# KiCad board tekskey-rounded-num.kicad_pcb (continued)
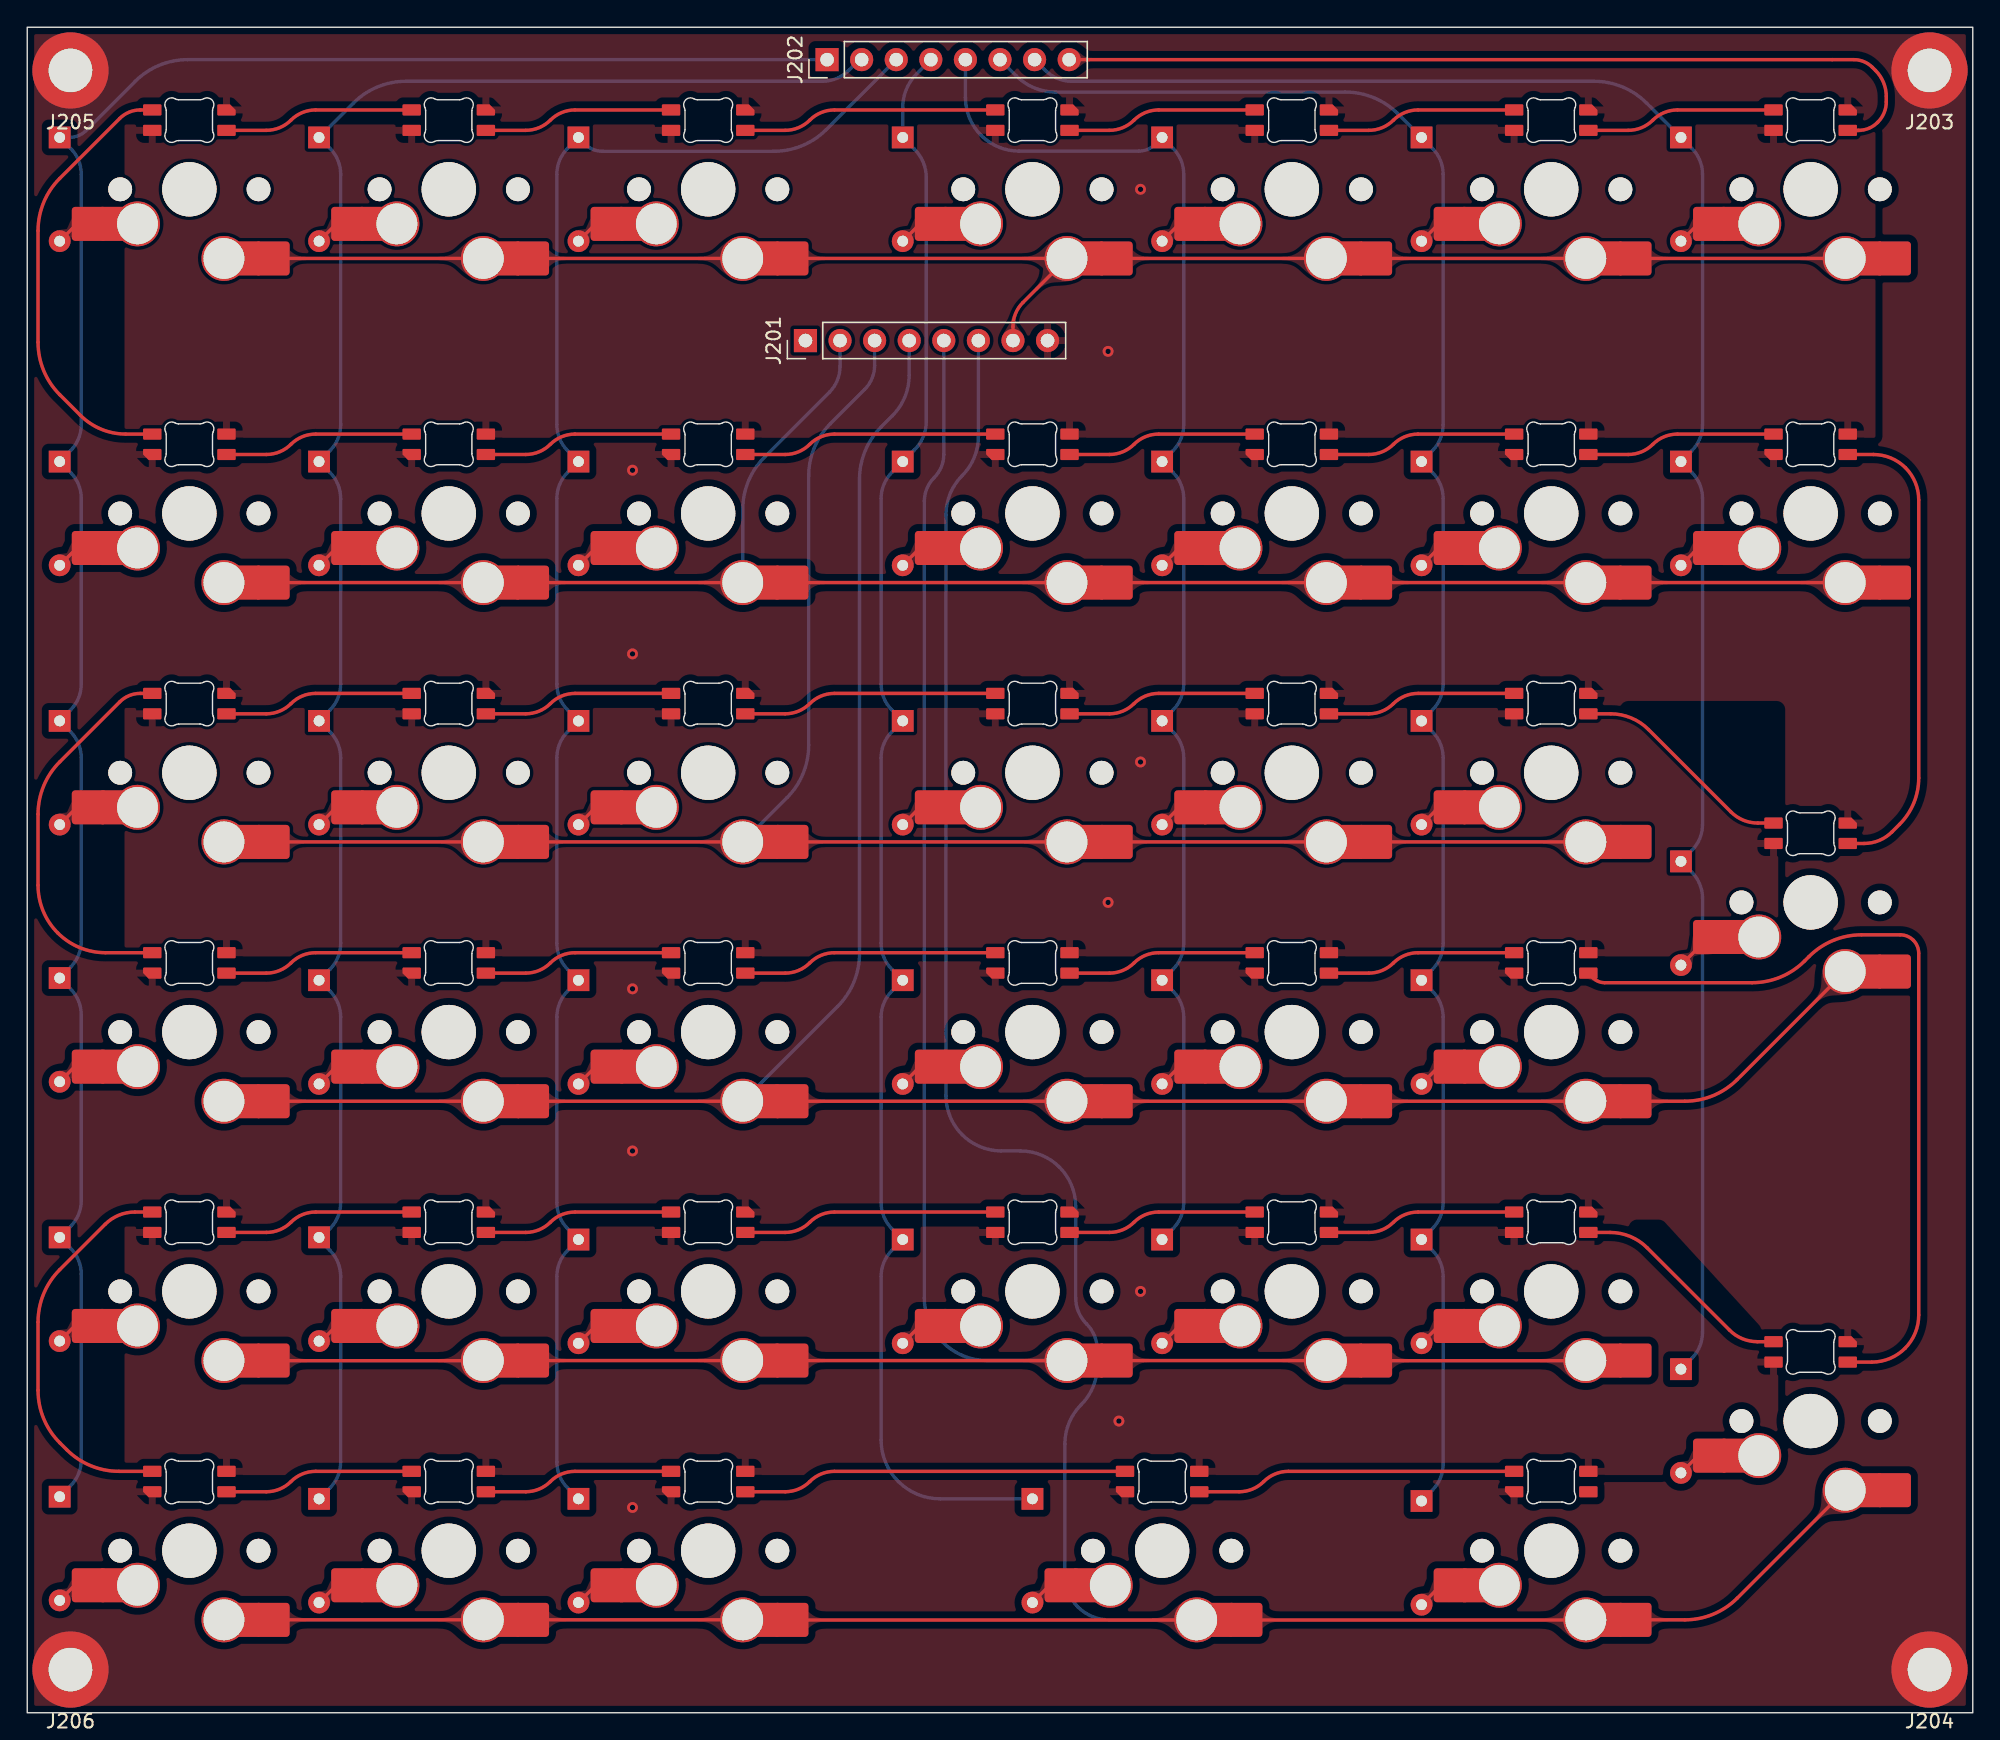
[diagram p0: board, top side]
## Copper pours and planes (outline as drawn; the poured copper is in the pictures) (continued)
nrow1 on Top: 30.21,82.9 30.6,82.88 30.92,82.81 31.18,82.71 31.4,82.59 31.6,82.43 31.79,82.26 31.98,82.08 32.2,81.9 32.46,81.72 32.78,81.54 34.32,83.03 32.78,84.51 32.46,84.34 32.2,84.15 31.98,83.97 31.79,83.79 31.6,83.62 31.4,83.47 31.18,83.34 30.92,83.24 30.6,83.17 30.21,83.15
nrow1 on Top: 101.45,83.15 101.15,83.17 100.91,83.21 100.71,83.29 100.54,83.38 100.39,83.49 100.25,83.62 100.1,83.75 99.94,83.88 99.74,84.02 99.5,84.15 98.33,83.03 99.5,81.9 99.74,82.03 99.94,82.17 100.1,82.3 100.25,82.44 100.39,82.56 100.54,82.67 100.71,82.77 100.91,82.84 101.15,82.88 101.45,82.9
nrow1 on Bottom: 52.42,86.32 52.4,85.92 52.33,85.6 52.23,85.34 52.11,85.12 51.95,84.92 51.78,84.74 51.6,84.54 51.42,84.32 51.24,84.06 51.06,83.75 52.55,82.2 54.03,83.75 53.86,84.06 53.67,84.32 53.49,84.54 53.31,84.74 53.14,84.92 52.99,85.12 52.86,85.34 52.76,85.6 52.69,85.92 52.67,86.32
nrow1 on Bottom: 59.82,99.1 59.83,99.3 59.85,99.47 59.9,99.61 59.96,99.72 60.03,99.83 60.11,99.93 60.19,100.03 60.28,100.14 60.37,100.28 60.46,100.44 59.69,101.23 58.93,100.44 59.01,100.28 59.1,100.14 59.19,100.03 59.27,99.93 59.35,99.83 59.42,99.72 59.48,99.61 59.53,99.47 59.55,99.3 59.57,99.1
nrow2 on Top: 73.07,63.85 73.46,63.83 73.78,63.76 74.04,63.66 74.27,63.54 74.46,63.38 74.65,63.21 74.84,63.03 75.06,62.85 75.32,62.67 75.64,62.49 77.18,63.98 75.64,65.46 75.32,65.29 75.06,65.1 74.84,64.92 74.65,64.74 74.46,64.57 74.27,64.42 74.04,64.29 73.78,64.19 73.46,64.12 73.07,64.1
nrow2 on Top: 49.26,63.85 49.65,63.83 49.97,63.76 50.23,63.66 50.45,63.54 50.65,63.38 50.84,63.21 51.03,63.03 51.25,62.85 51.51,62.67 51.83,62.49 53.37,63.98 51.83,65.46 51.51,65.29 51.25,65.1 51.03,64.92 50.84,64.74 50.65,64.57 50.45,64.42 50.23,64.29 49.97,64.19 49.65,64.12 49.26,64.1
nrow2 on Top: 111.17,63.85 111.56,63.83 111.88,63.76 112.14,63.66 112.37,63.54 112.56,63.38 112.75,63.21 112.94,63.03 113.16,62.85 113.42,62.67 113.74,62.49 115.28,63.98 113.74,65.46 113.42,65.29 113.16,65.1 112.94,64.92 112.75,64.74 112.56,64.57 112.37,64.42 112.14,64.29 111.88,64.19 111.56,64.12 111.17,64.1
nrow2 on Top: 82.4,64.1 82.1,64.12 81.86,64.16 81.66,64.24 81.49,64.33 81.34,64.44 81.2,64.57 81.05,64.7 80.89,64.83 80.69,64.97 80.45,65.1 79.28,63.98 80.45,62.85 80.69,62.98 80.89,63.12 81.05,63.25 81.2,63.39 81.34,63.51 81.49,63.62 81.66,63.72 81.86,63.79 82.1,63.83 82.4,63.85
nrow2 on Top: 101.45,64.1 101.15,64.12 100.91,64.16 100.71,64.24 100.54,64.33 100.39,64.44 100.25,64.57 100.1,64.7 99.94,64.83 99.74,64.97 99.5,65.1 98.33,63.98 99.5,62.85 99.74,62.98 99.94,63.12 100.1,63.25 100.25,63.39 100.39,63.51 100.54,63.62 100.71,63.72 100.91,63.79 101.15,63.83 101.45,63.85
nrow2 on Top: 39.54,64.1 39.24,64.12 39,64.16 38.8,64.24 38.63,64.33 38.48,64.44 38.34,64.57 38.19,64.7 38.02,64.83 37.83,64.97 37.59,65.1 36.42,63.98 37.59,62.85 37.83,62.98 38.02,63.12 38.19,63.25 38.34,63.39 38.48,63.51 38.63,63.62 38.8,63.72 39,63.79 39.24,63.83 39.54,63.85
nrow2 on Top: 30.21,63.85 30.6,63.83 30.92,63.76 31.18,63.66 31.4,63.54 31.6,63.38 31.79,63.21 31.98,63.03 32.2,62.85 32.46,62.67 32.78,62.49 34.32,63.98 32.78,65.46 32.46,65.29 32.2,65.1 31.98,64.92 31.79,64.74 31.6,64.57 31.4,64.42 31.18,64.29 30.92,64.19 30.6,64.12 30.21,64.1
nrow2 on Top: 20.49,64.1 20.19,64.12 19.95,64.16 19.75,64.24 19.58,64.33 19.43,64.44 19.29,64.57 19.14,64.7 18.97,64.83 18.78,64.97 18.54,65.1 17.37,63.98 18.54,62.85 18.78,62.98 18.97,63.12 19.14,63.25 19.29,63.39 19.43,63.51 19.58,63.62 19.75,63.72 19.95,63.79 20.19,63.83 20.49,63.85
nrow2 on Top: 92.12,63.85 92.51,63.83 92.83,63.76 93.09,63.66 93.32,63.54 93.51,63.38 93.7,63.21 93.89,63.03 94.11,62.85 94.37,62.67 94.69,62.49 96.23,63.98 94.69,65.46 94.37,65.29 94.11,65.1 93.89,64.92 93.7,64.74 93.51,64.57 93.32,64.42 93.09,64.29 92.83,64.19 92.51,64.12 92.12,64.1
nrow2 on Top: 58.59,64.1 58.29,64.12 58.05,64.16 57.85,64.24 57.68,64.33 57.53,64.44 57.39,64.57 57.24,64.7 57.07,64.83 56.88,64.97 56.64,65.1 55.47,63.98 56.64,62.85 56.88,62.98 57.07,63.12 57.24,63.25 57.39,63.39 57.53,63.51 57.68,63.62 57.85,63.72 58.05,63.79 58.29,63.83 58.59,63.85
nrow2 on Bottom: 54.78,66.39 54.49,66.13 54.22,65.95 53.96,65.83 53.71,65.77 53.47,65.74 53.22,65.72 52.95,65.71 52.67,65.69 52.35,65.63 52,65.53 51.96,63.39 54.1,63.43 54.2,63.78 54.26,64.1 54.28,64.38 54.29,64.65 54.31,64.9 54.34,65.14 54.4,65.39 54.52,65.65 54.7,65.92 54.96,66.21
nrow2 on Bottom: 62.35,99.1 62.37,99.3 62.39,99.47 62.44,99.61 62.5,99.72 62.57,99.83 62.65,99.93 62.73,100.03 62.82,100.14 62.91,100.28 62.99,100.44 62.23,101.23 61.46,100.44 61.55,100.28 61.64,100.14 61.73,100.03 61.81,99.93 61.89,99.83 61.96,99.72 62.02,99.61 62.07,99.47 62.09,99.3 62.1,99.1
nrow3 on Top: 73.07,44.8 73.46,44.78 73.78,44.71 74.04,44.61 74.27,44.49 74.46,44.33 74.65,44.16 74.84,43.98 75.06,43.8 75.32,43.62 75.64,43.44 77.18,44.93 75.64,46.41 75.32,46.24 75.06,46.05 74.84,45.87 74.65,45.69 74.46,45.52 74.27,45.37 74.04,45.24 73.78,45.14 73.46,45.07 73.07,45.05
nrow3 on Top: 111.17,44.8 111.56,44.78 111.88,44.71 112.14,44.61 112.37,44.49 112.56,44.33 112.75,44.16 112.94,43.98 113.16,43.8 113.42,43.62 113.74,43.44 115.28,44.93 113.74,46.41 113.42,46.24 113.16,46.05 112.94,45.87 112.75,45.69 112.56,45.52 112.37,45.37 112.14,45.24 111.88,45.14 111.56,45.07 111.17,45.05
nrow3 on Top: 120.5,45.05 120.2,45.07 119.96,45.11 119.76,45.19 119.59,45.28 119.44,45.39 119.3,45.52 119.15,45.65 118.99,45.78 118.79,45.92 118.55,46.05 117.38,44.93 118.55,43.8 118.79,43.93 118.99,44.07 119.15,44.2 119.3,44.34 119.44,44.46 119.59,44.57 119.76,44.67 119.96,44.74 120.2,44.78 120.5,44.8
nrow3 on Top: 92.12,44.8 92.51,44.78 92.83,44.71 93.09,44.61 93.32,44.49 93.51,44.33 93.7,44.16 93.89,43.98 94.11,43.8 94.37,43.62 94.69,43.44 96.23,44.93 94.69,46.41 94.37,46.24 94.11,46.05 93.89,45.87 93.7,45.69 93.51,45.52 93.32,45.37 93.09,45.24 92.83,45.14 92.51,45.07 92.12,45.05
nrow3 on Top: 20.49,45.05 20.19,45.07 19.95,45.11 19.75,45.19 19.58,45.28 19.43,45.39 19.29,45.52 19.14,45.65 18.97,45.78 18.78,45.92 18.54,46.05 17.37,44.93 18.54,43.8 18.78,43.93 18.97,44.07 19.14,44.2 19.29,44.34 19.43,44.46 19.58,44.57 19.75,44.67 19.95,44.74 20.19,44.78 20.49,44.8
nrow3 on Top: 82.4,45.05 82.1,45.07 81.86,45.11 81.66,45.19 81.49,45.28 81.34,45.39 81.2,45.52 81.05,45.65 80.89,45.78 80.69,45.92 80.45,46.05 79.28,44.93 80.45,43.8 80.69,43.93 80.89,44.07 81.05,44.2 81.2,44.34 81.34,44.46 81.49,44.57 81.66,44.67 81.86,44.74 82.1,44.78 82.4,44.8
nrow3 on Top: 49.26,44.8 49.65,44.78 49.97,44.71 50.23,44.61 50.45,44.49 50.65,44.33 50.84,44.16 51.03,43.98 51.25,43.8 51.51,43.62 51.83,43.44 53.37,44.93 51.83,46.41 51.51,46.24 51.25,46.05 51.03,45.87 50.84,45.69 50.65,45.52 50.45,45.37 50.23,45.24 49.97,45.14 49.65,45.07 49.26,45.05
nrow3 on Top: 58.59,45.05 58.29,45.07 58.05,45.11 57.85,45.19 57.68,45.28 57.53,45.39 57.39,45.52 57.24,45.65 57.07,45.78 56.88,45.92 56.64,46.05 55.47,44.93 56.64,43.8 56.88,43.93 57.07,44.07 57.24,44.2 57.39,44.34 57.53,44.46 57.68,44.57 57.85,44.67 58.05,44.74 58.29,44.78 58.59,44.8
nrow3 on Top: 131.27,52.04 131.57,52.3 131.84,52.48 132.09,52.59 132.34,52.66 132.59,52.69 132.84,52.7 133.1,52.71 133.39,52.74 133.7,52.79 134.05,52.89 134.09,55.03 131.95,54.99 131.85,54.64 131.8,54.33 131.77,54.05 131.76,53.78 131.75,53.53 131.72,53.28 131.65,53.04 131.54,52.78 131.36,52.51 131.09,52.21
nrow3 on Top: 39.54,45.05 39.24,45.07 39,45.11 38.8,45.19 38.63,45.28 38.48,45.39 38.34,45.52 38.19,45.65 38.02,45.78 37.83,45.92 37.59,46.05 36.42,44.93 37.59,43.8 37.83,43.93 38.02,44.07 38.19,44.2 38.34,44.34 38.48,44.46 38.63,44.57 38.8,44.67 39,44.74 39.24,44.78 39.54,44.8
nrow3 on Top: 101.45,45.05 101.15,45.07 100.91,45.11 100.71,45.19 100.54,45.28 100.39,45.39 100.25,45.52 100.1,45.65 99.94,45.78 99.74,45.92 99.5,46.05 98.33,44.93 99.5,43.8 99.74,43.93 99.94,44.07 100.1,44.2 100.25,44.34 100.39,44.46 100.54,44.57 100.71,44.67 100.91,44.74 101.15,44.78 101.45,44.8
nrow3 on Top: 30.21,44.8 30.6,44.78 30.92,44.71 31.18,44.61 31.4,44.49 31.6,44.33 31.79,44.16 31.98,43.98 32.2,43.8 32.46,43.62 32.78,43.44 34.32,44.93 32.78,46.41 32.46,46.24 32.2,46.05 31.98,45.87 31.79,45.69 31.6,45.52 31.4,45.37 31.18,45.24 30.92,45.14 30.6,45.07 30.21,45.05
nrow3 on Bottom: 64.9,99.1 64.91,99.3 64.93,99.47 64.98,99.61 65.04,99.72 65.11,99.83 65.19,99.93 65.27,100.03 65.36,100.14 65.45,100.28 65.53,100.44 64.77,101.23 64,100.44 64.09,100.28 64.18,100.14 64.27,100.03 64.35,99.93 64.43,99.83 64.5,99.72 64.56,99.61 64.61,99.47 64.63,99.3 64.65,99.1
nrow3 on Bottom: 54.78,47.34 54.49,47.08 54.22,46.9 53.96,46.78 53.71,46.72 53.47,46.69 53.22,46.67 52.95,46.66 52.67,46.64 52.35,46.58 52,46.48 51.96,44.34 54.1,44.38 54.2,44.73 54.26,45.05 54.28,45.33 54.29,45.6 54.31,45.85 54.34,46.09 54.4,46.34 54.52,46.6 54.7,46.87 54.96,47.16
nrow4 on Top: 73.07,25.75 73.46,25.73 73.78,25.66 74.04,25.56 74.27,25.44 74.46,25.28 74.65,25.11 74.84,24.93 75.06,24.75 75.32,24.57 75.64,24.39 77.18,25.88 75.64,27.36 75.32,27.19 75.06,27 74.84,26.82 74.65,26.64 74.46,26.47 74.27,26.32 74.04,26.19 73.78,26.09 73.46,26.02 73.07,26
nrow4 on Top: 49.26,25.75 49.65,25.73 49.97,25.66 50.23,25.56 50.45,25.44 50.65,25.28 50.84,25.11 51.03,24.93 51.25,24.75 51.51,24.57 51.83,24.39 53.37,25.88 51.83,27.36 51.51,27.19 51.25,27 51.03,26.82 50.84,26.64 50.65,26.47 50.45,26.32 50.23,26.19 49.97,26.09 49.65,26.02 49.26,26
nrow4 on Top: 82.4,26 82.1,26.02 81.86,26.06 81.66,26.14 81.49,26.23 81.34,26.34 81.2,26.47 81.05,26.6 80.89,26.73 80.69,26.87 80.45,27 79.28,25.88 80.45,24.75 80.69,24.88 80.89,25.02 81.05,25.15 81.2,25.29 81.34,25.41 81.49,25.52 81.66,25.62 81.86,25.69 82.1,25.73 82.4,25.75
nrow4 on Top: 20.5,25.99 20.2,26 19.96,26.05 19.76,26.12 19.59,26.22 19.44,26.33 19.3,26.45 19.15,26.59 18.99,26.72 18.79,26.86 18.55,27 17.37,25.88 18.53,24.75 18.77,24.87 18.97,25.01 19.14,25.14 19.29,25.28 19.43,25.4 19.59,25.51 19.76,25.6 19.96,25.67 20.2,25.72 20.5,25.74
nrow4 on Top: 30.19,25.74 30.59,25.71 30.91,25.65 31.18,25.55 31.4,25.42 31.6,25.27 31.79,25.1 31.98,24.92 32.21,24.74 32.47,24.56 32.79,24.39 34.32,25.88 32.76,27.36 32.45,27.18 32.19,26.99 31.97,26.81 31.78,26.62 31.59,26.46 31.39,26.3 31.17,26.17 30.91,26.07 30.59,26.01 30.19,25.99
nrow4 on Top: 111.16,25.74 111.55,25.71 111.87,25.65 112.14,25.55 112.36,25.42 112.56,25.27 112.75,25.1 112.95,24.92 113.17,24.74 113.43,24.56 113.75,24.39 115.28,25.88 113.73,27.36 113.41,27.18 113.15,26.99 112.93,26.81 112.74,26.62 112.55,26.46 112.35,26.3 112.13,26.17 111.87,26.07 111.55,26.01 111.16,25.99
nrow4 on Top: 58.59,26 58.29,26.02 58.05,26.06 57.85,26.14 57.68,26.23 57.53,26.34 57.39,26.47 57.24,26.6 57.07,26.73 56.88,26.87 56.64,27 55.47,25.88 56.64,24.75 56.88,24.88 57.07,25.02 57.24,25.15 57.39,25.29 57.53,25.41 57.68,25.52 57.85,25.62 58.05,25.69 58.29,25.73 58.59,25.75
nrow4 on Top: 39.54,26 39.24,26.02 39,26.06 38.8,26.14 38.63,26.23 38.48,26.34 38.34,26.47 38.19,26.6 38.02,26.73 37.83,26.87 37.59,27 36.42,25.88 37.59,24.75 37.83,24.88 38.02,25.02 38.19,25.15 38.34,25.29 38.48,25.41 38.63,25.52 38.8,25.62 39,25.69 39.24,25.73 39.54,25.75
nrow4 on Top: 92.12,25.75 92.51,25.73 92.83,25.66 93.09,25.56 93.32,25.44 93.51,25.28 93.7,25.11 93.89,24.93 94.11,24.75 94.37,24.57 94.69,24.39 96.23,25.88 94.69,27.36 94.37,27.19 94.11,27 93.89,26.82 93.7,26.64 93.51,26.47 93.32,26.32 93.09,26.19 92.83,26.09 92.51,26.02 92.12,26
nrow4 on Top: 101.46,25.99 101.17,26 100.92,26.05 100.72,26.12 100.55,26.22 100.41,26.33 100.26,26.45 100.11,26.59 99.95,26.72 99.75,26.86 99.52,27 98.33,25.88 99.49,24.75 99.73,24.87 99.93,25.01 100.1,25.14 100.25,25.28 100.4,25.4 100.55,25.51 100.72,25.6 100.92,25.67 101.16,25.72 101.46,25.74
nrow4 on Bottom: 67.44,99.1 67.45,99.3 67.47,99.47 67.52,99.61 67.58,99.72 67.65,99.83 67.73,99.93 67.81,100.03 67.9,100.14 67.99,100.28 68.07,100.44 67.31,101.23 66.55,100.44 66.63,100.28 66.72,100.14 66.81,100.03 66.89,99.93 66.97,99.83 67.04,99.72 67.1,99.61 67.15,99.47 67.17,99.3 67.19,99.1
nrow4 on Bottom: 73.07,25.75 73.46,25.73 73.78,25.66 74.04,25.56 74.27,25.44 74.46,25.28 74.65,25.11 74.84,24.93 75.06,24.75 75.32,24.57 75.64,24.39 77.18,25.88 75.64,27.36 75.32,27.19 75.06,27 74.84,26.82 74.65,26.64 74.46,26.47 74.27,26.32 74.04,26.19 73.78,26.09 73.46,26.02 73.07,26
nrow5 on Top: 30.21,6.7 30.6,6.68 30.92,6.61 31.18,6.51 31.4,6.39 31.6,6.23 31.79,6.06 31.98,5.88 32.2,5.7 32.46,5.52 32.78,5.34 34.32,6.83 32.78,8.31 32.46,8.14 32.2,7.95 31.98,7.77 31.79,7.59 31.6,7.42 31.4,7.27 31.18,7.14 30.92,7.04 30.6,6.97 30.21,6.95
nrow5 on Top: 91.94,6.94 91.64,6.95 91.4,7 91.2,7.07 91.03,7.17 90.88,7.28 90.74,7.4 90.59,7.54 90.42,7.67 90.23,7.81 89.99,7.95 88.81,6.83 89.97,5.7 90.21,5.82 90.41,5.96 90.57,6.09 90.73,6.23 90.87,6.35 91.02,6.46 91.19,6.55 91.39,6.62 91.64,6.67 91.94,6.69
nrow5 on Top: 20.49,6.95 20.19,6.97 19.95,7.01 19.75,7.09 19.58,7.18 19.43,7.29 19.29,7.42 19.14,7.55 18.97,7.68 18.78,7.82 18.54,7.95 17.37,6.83 18.54,5.7 18.78,5.83 18.97,5.97 19.14,6.1 19.29,6.24 19.43,6.36 19.58,6.47 19.75,6.57 19.95,6.64 20.19,6.68 20.49,6.7
nrow5 on Top: 120.5,6.95 120.2,6.97 119.96,7.01 119.76,7.09 119.59,7.18 119.44,7.29 119.3,7.42 119.15,7.55 118.99,7.68 118.79,7.82 118.55,7.95 117.38,6.83 118.55,5.7 118.79,5.83 118.99,5.97 119.15,6.1 119.3,6.24 119.44,6.36 119.59,6.47 119.76,6.57 119.96,6.64 120.2,6.68 120.5,6.7
nrow5 on Top: 131.27,13.94 131.57,14.2 131.84,14.38 132.09,14.49 132.34,14.56 132.59,14.59 132.84,14.6 133.1,14.61 133.39,14.64 133.7,14.69 134.05,14.79 134.09,16.93 131.95,16.89 131.85,16.54 131.8,16.23 131.77,15.95 131.76,15.68 131.75,15.43 131.72,15.18 131.65,14.94 131.54,14.68 131.36,14.41 131.09,14.11
nrow5 on Top: 49.26,6.7 49.65,6.68 49.97,6.61 50.23,6.51 50.45,6.39 50.65,6.23 50.84,6.06 51.03,5.88 51.25,5.7 51.51,5.52 51.83,5.34 53.37,6.83 51.83,8.31 51.51,8.14 51.25,7.95 51.03,7.77 50.84,7.59 50.65,7.42 50.45,7.27 50.23,7.14 49.97,7.04 49.65,6.97 49.26,6.95
nrow5 on Top: 82.58,6.69 82.98,6.66 83.3,6.6 83.56,6.5 83.79,6.37 83.99,6.22 84.17,6.05 84.37,5.87 84.59,5.69 84.86,5.51 85.18,5.34 86.71,6.83 85.15,8.31 84.84,8.13 84.58,7.94 84.36,7.76 84.16,7.57 83.98,7.41 83.78,7.25 83.56,7.12 83.3,7.02 82.97,6.96 82.58,6.94
nrow5 on Top: 39.54,6.95 39.24,6.97 39,7.01 38.8,7.09 38.63,7.18 38.48,7.29 38.34,7.42 38.19,7.55 38.02,7.68 37.83,7.82 37.59,7.95 36.42,6.83 37.59,5.7 37.83,5.83 38.02,5.97 38.19,6.1 38.34,6.24 38.48,6.36 38.63,6.47 38.8,6.57 39,6.64 39.24,6.68 39.54,6.7
nrow5 on Top: 111.16,6.69 111.55,6.66 111.87,6.6 112.14,6.5 112.36,6.37 112.56,6.22 112.75,6.05 112.95,5.87 113.17,5.69 113.43,5.51 113.75,5.34 115.28,6.83 113.73,8.31 113.41,8.13 113.15,7.94 112.93,7.76 112.74,7.57 112.55,7.41 112.35,7.25 112.13,7.12 111.87,7.02 111.55,6.96 111.16,6.94
nrow5 on Top: 58.6,6.94 58.3,6.95 58.06,7 57.86,7.07 57.69,7.17 57.54,7.28 57.4,7.4 57.25,7.54 57.09,7.67 56.89,7.81 56.65,7.95 55.47,6.83 56.63,5.7 56.87,5.82 57.07,5.96 57.24,6.09 57.39,6.23 57.53,6.35 57.68,6.46 57.86,6.55 58.06,6.62 58.3,6.67 58.6,6.69
nrow5 on Bottom: 82.59,6.7 82.99,6.68 83.31,6.61 83.57,6.51 83.79,6.39 83.99,6.23 84.17,6.06 84.37,5.88 84.59,5.7 84.85,5.52 85.16,5.34 86.71,6.83 85.16,8.31 84.85,8.14 84.59,7.95 84.37,7.77 84.17,7.59 83.99,7.42 83.79,7.27 83.57,7.14 83.31,7.04 82.99,6.97 82.59,6.95
nrow5 on Bottom: 69.97,99.1 69.99,99.3 70.01,99.47 70.06,99.61 70.12,99.72 70.19,99.83 70.27,99.93 70.35,100.03 70.44,100.14 70.53,100.28 70.62,100.44 69.85,101.23 69.09,100.44 69.17,100.28 69.26,100.14 69.35,100.03 69.43,99.93 69.51,99.83 69.58,99.72 69.64,99.61 69.69,99.47 69.71,99.3 69.72,99.1
Net-(D201-Pad2) on Top: 2.54,108.09 2.72,108.25 2.89,108.35 3.05,108.41 3.21,108.42 3.37,108.41 3.53,108.38 3.7,108.32 3.88,108.26 4.08,108.2 4.3,108.15 5.15,109.54 3.66,110.26 3.47,110.05 3.32,109.85 3.21,109.66 3.12,109.48 3.05,109.3 2.97,109.12 2.87,108.93 2.75,108.72 2.58,108.51 2.36,108.27
Net-(D201-Pad2) on Top: 3.42,109.32 3.28,109.2 3.15,109.11 3.03,109.05 2.91,109.01 2.8,108.99 2.68,108.97 2.56,108.96 2.43,108.94 2.28,108.91 2.12,108.86 2.1,107.83 3.14,107.85 3.18,108.01 3.21,108.15 3.23,108.29 3.24,108.41 3.26,108.53 3.28,108.64 3.32,108.76 3.38,108.88 3.47,109.01 3.59,109.14
Net-(D202-Pad2) on Top: 22.47,109.32 22.33,109.2 22.2,109.11 22.08,109.05 21.96,109.01 21.85,108.99 21.73,108.97 21.61,108.96 21.48,108.94 21.33,108.91 21.17,108.86 21.15,107.83 22.19,107.85 22.23,108.01 22.26,108.15 22.28,108.29 22.29,108.41 22.31,108.53 22.33,108.64 22.37,108.76 22.43,108.88 22.52,109.01 22.64,109.14
Net-(D202-Pad2) on Top: 21.59,108.09 21.77,108.25 21.94,108.35 22.1,108.41 22.26,108.42 22.42,108.41 22.58,108.38 22.75,108.32 22.93,108.26 23.13,108.2 23.35,108.15 24.2,109.54 22.71,110.26 22.52,110.05 22.37,109.85 22.26,109.66 22.17,109.48 22.1,109.3 22.02,109.12 21.92,108.93 21.8,108.72 21.63,108.51 21.41,108.27
Net-(D203-Pad2) on Top: 41.52,109.32 41.38,109.2 41.25,109.11 41.13,109.05 41.01,109.01 40.9,108.99 40.78,108.97 40.66,108.96 40.53,108.94 40.38,108.91 40.22,108.86 40.2,107.83 41.24,107.85 41.28,108.01 41.31,108.15 41.33,108.29 41.34,108.41 41.36,108.53 41.38,108.64 41.42,108.76 41.48,108.88 41.57,109.01 41.69,109.14
Net-(D203-Pad2) on Top: 40.64,108.09 40.82,108.25 40.99,108.35 41.15,108.41 41.31,108.42 41.47,108.41 41.63,108.38 41.8,108.32 41.98,108.26 42.18,108.2 42.4,108.15 43.25,109.54 41.76,110.26 41.57,110.05 41.42,109.85 41.31,109.66 41.22,109.48 41.15,109.3 41.07,109.12 40.97,108.93 40.85,108.72 40.68,108.51 40.46,108.27
Net-(D204-Pad2) on Top: 64.45,108.09 64.63,108.25 64.8,108.35 64.96,108.41 65.12,108.42 65.28,108.41 65.44,108.38 65.61,108.32 65.8,108.26 66,108.2 66.22,108.15 67.06,109.54 65.57,110.26 65.38,110.05 65.23,109.85 65.12,109.66 65.04,109.48 64.96,109.3 64.88,109.12 64.78,108.93 64.66,108.72 64.49,108.51 64.27,108.27
Net-(D204-Pad2) on Top: 65.33,109.32 65.19,109.2 65.06,109.11 64.94,109.05 64.83,109.01 64.71,108.99 64.6,108.97 64.47,108.96 64.34,108.94 64.19,108.91 64.03,108.86 64.01,107.83 65.05,107.85 65.1,108.01 65.13,108.15 65.14,108.29 65.16,108.41 65.17,108.53 65.19,108.64 65.23,108.76 65.29,108.88 65.38,109.01 65.51,109.14
Net-(D205-Pad2) on Top: 84.38,109.32 84.24,109.2 84.11,109.11 83.99,109.05 83.88,109.01 83.76,108.99 83.65,108.97 83.52,108.96 83.39,108.94 83.24,108.91 83.08,108.86 83.06,107.83 84.1,107.85 84.15,108.01 84.18,108.15 84.19,108.29 84.21,108.41 84.22,108.53 84.24,108.64 84.28,108.76 84.34,108.88 84.43,109.01 84.56,109.14
Net-(D205-Pad2) on Top: 83.5,108.09 83.68,108.25 83.85,108.35 84.01,108.41 84.17,108.42 84.33,108.41 84.49,108.38 84.66,108.32 84.85,108.26 85.05,108.2 85.27,108.15 86.11,109.54 84.62,110.26 84.43,110.05 84.28,109.85 84.17,109.66 84.09,109.48 84.01,109.3 83.93,109.12 83.83,108.93 83.71,108.72 83.54,108.51 83.32,108.27
Net-(D206-Pad2) on Top: 102.55,108.09 102.73,108.25 102.9,108.35 103.06,108.41 103.22,108.42 103.38,108.41 103.54,108.38 103.71,108.32 103.9,108.26 104.1,108.2 104.32,108.15 105.16,109.54 103.67,110.26 103.48,110.05 103.33,109.85 103.22,109.66 103.14,109.48 103.06,109.3 102.98,109.12 102.88,108.93 102.76,108.72 102.59,108.51 102.37,108.27
Net-(D206-Pad2) on Top: 103.43,109.32 103.29,109.2 103.16,109.11 103.04,109.05 102.93,109.01 102.81,108.99 102.7,108.97 102.57,108.96 102.44,108.94 102.29,108.91 102.13,108.86 102.11,107.83 103.15,107.85 103.2,108.01 103.23,108.15 103.24,108.29 103.26,108.41 103.27,108.53 103.29,108.64 103.33,108.76 103.39,108.88 103.48,109.01 103.61,109.14
Net-(D207-Pad2) on Top: 121.6,108.09 121.78,108.25 121.95,108.35 122.11,108.41 122.27,108.42 122.43,108.41 122.59,108.38 122.76,108.32 122.95,108.26 123.15,108.2 123.37,108.15 124.21,109.54 122.72,110.26 122.53,110.05 122.38,109.85 122.27,109.66 122.19,109.48 122.11,109.3 122.03,109.12 121.93,108.93 121.81,108.72 121.64,108.51 121.42,108.27